# KiCad board Encoder_I2C_AS5600_Panel.kicad_pcb (continued)
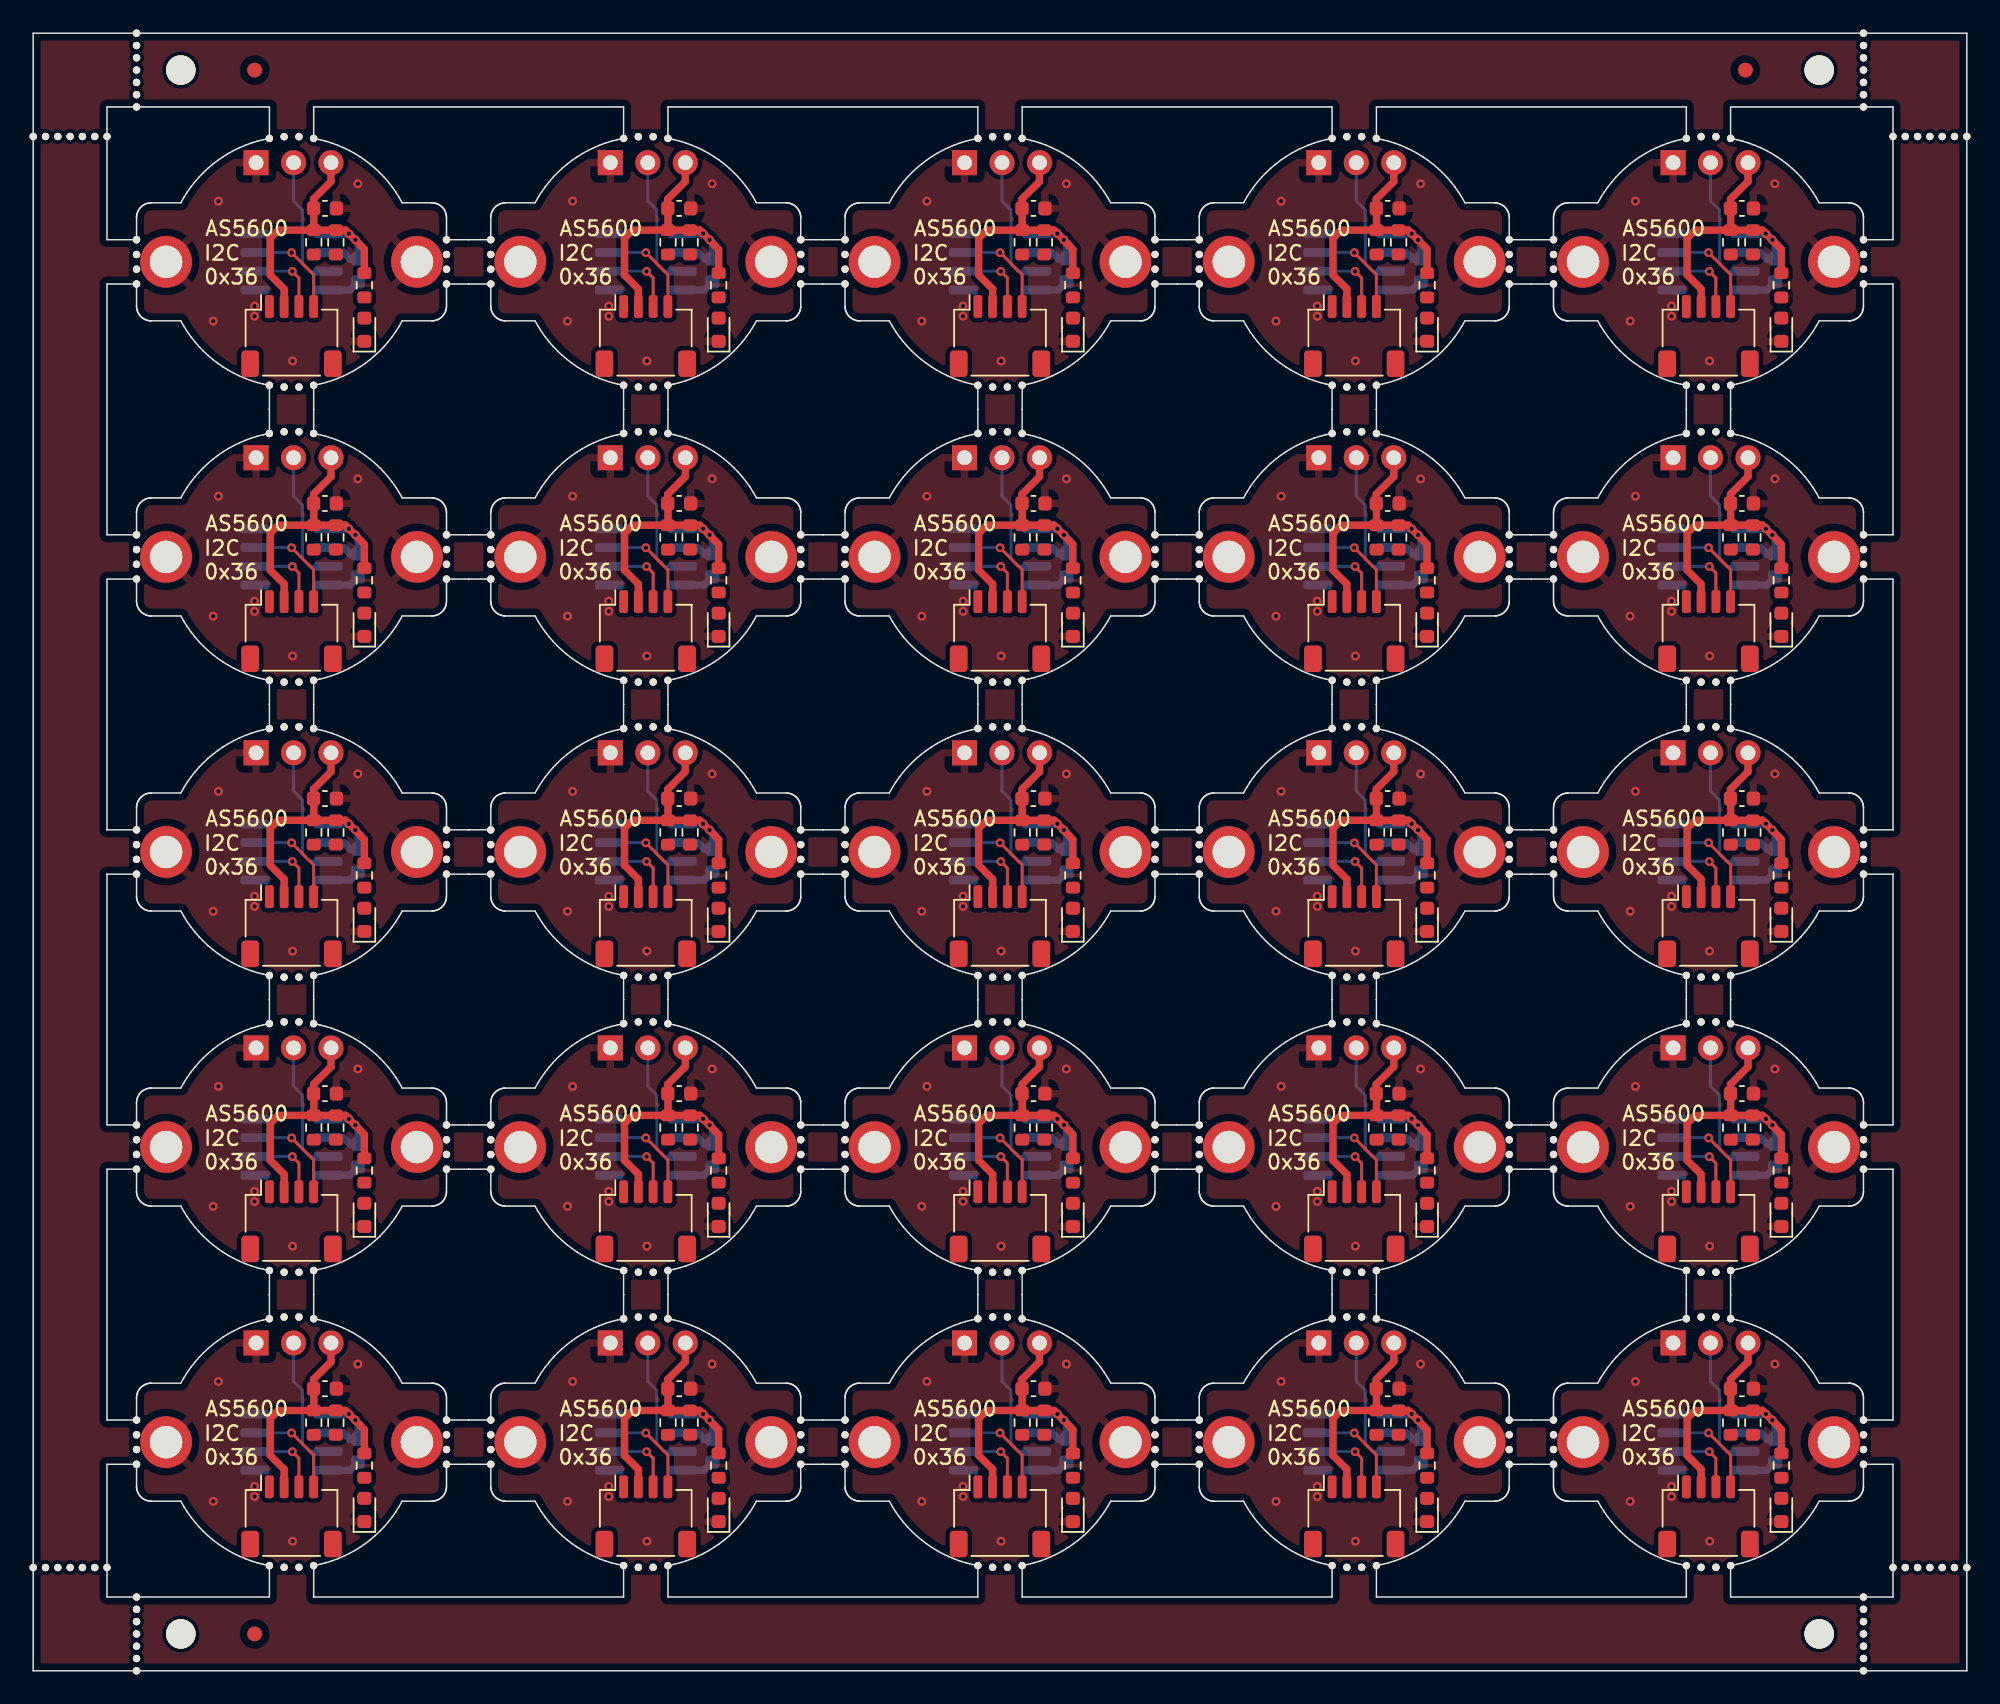
[diagram p0: board, top side]
## Routing (per net, layer and track width the routed paths; a pad name or vN(x,y) marks a point on that pad's centre or on a via; arc(x,y) is an arc through that point) (continued)
Board_2-/OUT: length 9.1
  Bottom w0.2: IC1#2.3 66.73,94.86 66.25,95.34 66.25,99.01 65.64,99.62 J3#13.2
Board_2-/SCL: length 6.8
  Top w0.2: J1#19.4 67,94.63 v1(65.51,96.12)
  Bottom w0.2: IC1#2.7 65.5,96.13 v1(65.51,96.12)
Board_2-/SDA: length 5.1
  Top w0.2: J1#19.3 66,94.41 v1(65.56,94.85)
  Bottom w0.2: IC1#2.6 65.54,94.86 v1(65.56,94.85)
Board_2-GND: length 2.3
  Bottom w0.5: IC1#2.4 69.46,93.59 C2#23.1
  vias: v1(60.2,91.48) v1(60.55,99.61) v1(63,92.5) v1(63,91.81) v1(65.58,88.78) v1(70,100.79)
Board_2-VDD: length 24.8
  Top w0.5: 69.15,97.65 v1(69.39,97.41) ; 69.15,97.65 69.81,96.99 v1(69.83,96.99) 69.83,96.97 70.21,96.59 70.21,96.57 70.44,96.34 R1#15.1 ; 69.15,97.65 R2#17.1 R3#24.1 ; R3#24.1 67.01,99.11 C1#11.1 66.99,99.76 68.18,100.94 J3#13.3 ; R3#24.1 64.6,97.65 64.06,97.1 64.06,94.6 65,93.66 J1#19.2
  Bottom w0.5: IC1#2.2 69.03,96.13 69.46,95.7 C2#23.2 70.02,96.8 v1(69.83,96.99) 69.81,96.99 v1(69.39,97.41) 69.38,97.4 IC1#2.1
Board_3-/OUT: length 9.1
  Bottom w0.2: IC1#17.3 90.73,94.86 90.25,95.34 90.25,99.01 89.64,99.62 J3.2
Board_3-/SCL: length 6.8
  Top w0.2: J1#9.4 91,94.63 v1(89.51,96.12)
  Bottom w0.2: IC1#17.7 89.5,96.13 v1(89.51,96.12)
Board_3-/SDA: length 5.1
  Top w0.2: J1#9.3 90,94.41 v1(89.56,94.85)
  Bottom w0.2: IC1#17.6 89.54,94.86 v1(89.56,94.85)
Board_3-GND: length 2.3
  Bottom w0.5: C2#17.1 93.46,93.59 IC1#17.4
  vias: v1(84.2,91.48) v1(84.55,99.61) v1(87,92.5) v1(87,91.81) v1(89.58,88.78) v1(94,100.79)
Board_3-VDD: length 24.8
  Top w0.5: 93.15,97.65 v1(93.39,97.41) ; 93.15,97.65 93.81,96.99 v1(93.83,96.99) 93.83,96.97 94.21,96.59 94.21,96.57 94.44,96.34 R1#21.1 ; 93.15,97.65 R2#5.1 R3#12.1 ; J3.3 92.18,100.94 90.99,99.76 C1#5.1 91.01,99.11 R3#12.1 ; J1#9.2 89,93.66 88.06,94.6 88.06,97.1 88.6,97.65 R3#12.1
  Bottom w0.5: IC1#17.2 93.03,96.13 93.46,95.7 C2#17.2 94.02,96.8 v1(93.83,96.99) 93.81,96.99 v1(93.39,97.41) 93.38,97.4 IC1#17.1
Board_4-/OUT: length 9.1
  Bottom w0.2: IC1#15.3 114.73,94.86 114.25,95.34 114.25,99.01 113.64,99.62 J3#21.2
Board_4-/SCL: length 6.8
  Top w0.2: v1(113.51,96.12) 115,94.63 J1#2.4
  Bottom w0.2: IC1#15.7 113.5,96.13 v1(113.51,96.12)
Board_4-/SDA: length 5.1
  Top w0.2: J1#2.3 114,94.41 v1(113.56,94.85)
  Bottom w0.2: v1(113.56,94.85) 113.54,94.86 IC1#15.6
Board_4-GND: length 2.3
  Bottom w0.5: IC1#15.4 117.46,93.59 C2#14.1
  vias: v1(108.2,91.48) v1(108.55,99.61) v1(111,92.5) v1(111,91.81) v1(113.58,88.78) v1(118,100.79)
Board_4-VDD: length 24.8
  Top w0.5: R1#17.1 118.44,96.34 118.21,96.57 118.21,96.59 117.83,96.97 v1(117.83,96.99) 117.81,96.99 117.15,97.65 ; 117.15,97.65 v1(117.39,97.41) ; 117.15,97.65 R2#2.1 R3#7.1 ; R3#7.1 115.01,99.11 C1.1 114.99,99.76 116.18,100.94 J3#21.3 ; R3#7.1 112.6,97.65 112.06,97.1 112.06,94.6 113,93.66 J1#2.2
  Bottom w0.5: IC1#15.1 117.38,97.4 v1(117.39,97.41) 117.81,96.99 v1(117.83,96.99) 118.02,96.8 C2#14.2 117.46,95.7 117.03,96.13 IC1#15.2
Board_5-/OUT: length 9.1
  Bottom w0.2: IC1#10.3 18.73,74.86 18.25,75.34 18.25,79.01 17.64,79.62 J3#8.2
Board_5-/SCL: length 6.8
  Top w0.2: J1#10.4 19,74.63 v1(17.51,76.12)
  Bottom w0.2: IC1#10.7 17.5,76.13 v1(17.51,76.12)
Board_5-/SDA: length 5.1
  Top w0.2: J1#10.3 18,74.41 v1(17.56,74.85)
  Bottom w0.2: IC1#10.6 17.54,74.86 v1(17.56,74.85)
Board_5-GND: length 2.3
  Bottom w0.5: C2#12.1 21.46,73.59 IC1#10.4
  vias: v1(12.2,71.48) v1(12.55,79.61) v1(15,72.5) v1(15,71.81) v1(17.58,68.78) v1(22,80.79)
Board_5-VDD: length 24.8
  Top w0.5: R3#14.1 19.01,79.11 C1#23.1 18.99,79.76 20.18,80.94 J3#8.3 ; R3#14.1 16.6,77.65 16.06,77.1 16.06,74.6 17,73.66 J1#10.2 ; R3#14.1 R2#15.1 21.15,77.65 ; 21.15,77.65 21.81,76.99 v1(21.83,76.99) 21.83,76.97 22.21,76.59 22.21,76.57 22.44,76.34 R1#19.1 ; 21.15,77.65 v1(21.39,77.41)
  Bottom w0.5: IC1#10.2 21.03,76.13 21.46,75.7 C2#12.2 22.02,76.8 v1(21.83,76.99) 21.81,76.99 v1(21.39,77.41) 21.38,77.4 IC1#10.1
Board_6-/OUT: length 9.1
  Bottom w0.2: IC1#25.3 42.73,74.86 42.25,75.34 42.25,79.01 41.64,79.62 J3#19.2
Board_6-/SCL: length 6.8
  Top w0.2: v1(41.51,76.12) 43,74.63 J1#13.4
  Bottom w0.2: IC1#25.7 41.5,76.13 v1(41.51,76.12)
Board_6-/SDA: length 5.1
  Top w0.2: J1#13.3 42,74.41 v1(41.56,74.85)
  Bottom w0.2: IC1#25.6 41.54,74.86 v1(41.56,74.85)
Board_6-GND: length 2.3
  Bottom w0.5: C2#3.1 45.46,73.59 IC1#25.4
  vias: v1(36.2,71.48) v1(36.55,79.61) v1(39,72.5) v1(39,71.81) v1(41.58,68.78) v1(46,80.79)
Board_6-VDD: length 24.8
  Top w0.5: R3#17.1 R2#18.1 45.15,77.65 ; R3#17.1 43.01,79.11 C1#14.1 42.99,79.76 44.18,80.94 J3#19.3 ; R3#17.1 40.6,77.65 40.06,77.1 40.06,74.6 41,73.66 J1#13.2 ; R1#13.1 46.44,76.34 46.21,76.57 46.21,76.59 45.83,76.97 v1(45.83,76.99) 45.81,76.99 45.15,77.65 ; 45.15,77.65 v1(45.39,77.41)
  Bottom w0.5: IC1#25.2 45.03,76.13 45.46,75.7 C2#3.2 46.02,76.8 v1(45.83,76.99) 45.81,76.99 v1(45.39,77.41) 45.38,77.4 IC1#25.1
Board_7-/OUT: length 9.1
  Bottom w0.2: IC1#8.3 66.73,74.86 66.25,75.34 66.25,79.01 65.64,79.62 J3#11.2
Board_7-/SCL: length 6.8
  Top w0.2: J1#3.4 67,74.63 v1(65.51,76.12)
  Bottom w0.2: v1(65.51,76.12) 65.5,76.13 IC1#8.7
Board_7-/SDA: length 5.1
  Top w0.2: v1(65.56,74.85) 66,74.41 J1#3.3
  Bottom w0.2: IC1#8.6 65.54,74.86 v1(65.56,74.85)
Board_7-GND: length 2.3
  Bottom w0.5: C2#4.1 69.46,73.59 IC1#8.4
  vias: v1(60.2,71.48) v1(60.55,79.61) v1(63,72.5) v1(63,71.81) v1(65.58,68.78) v1(70,80.79)
Board_7-VDD: length 24.8
  Top w0.5: R1#12.1 70.44,76.34 70.21,76.57 70.21,76.59 69.83,76.97 v1(69.83,76.99) 69.81,76.99 69.15,77.65 ; 69.15,77.65 R2#13.1 R3#9.1 ; 69.15,77.65 v1(69.39,77.41) ; J3#11.3 68.18,80.94 66.99,79.76 C1#8.1 67.01,79.11 R3#9.1 ; R3#9.1 64.6,77.65 64.06,77.1 64.06,74.6 65,73.66 J1#3.2
  Bottom w0.5: IC1#8.2 69.03,76.13 69.46,75.7 C2#4.2 70.02,76.8 v1(69.83,76.99) 69.81,76.99 v1(69.39,77.41) 69.38,77.4 IC1#8.1
Board_8-/OUT: length 9.1
  Bottom w0.2: IC1.3 90.73,74.86 90.25,75.34 90.25,79.01 89.64,79.62 J3#9.2
Board_8-/SCL: length 6.8
  Top w0.2: J1#24.4 91,74.63 v1(89.51,76.12)
  Bottom w0.2: v1(89.51,76.12) 89.5,76.13 IC1.7
Board_8-/SDA: length 5.1
  Top w0.2: v1(89.56,74.85) 90,74.41 J1#24.3
  Bottom w0.2: IC1.6 89.54,74.86 v1(89.56,74.85)
Board_8-GND: length 2.3
  Bottom w0.5: C2#5.1 93.46,73.59 IC1.4
  vias: v1(84.2,71.48) v1(84.55,79.61) v1(87,72.5) v1(87,71.81) v1(89.58,68.78) v1(94,80.79)
Board_8-VDD: length 24.8
  Top w0.5: 93.15,77.65 R2#11.1 R3#2.1 ; 93.15,77.65 93.81,76.99 v1(93.83,76.99) 93.83,76.97 94.21,76.59 94.21,76.57 94.44,76.34 R1#5.1 ; 93.15,77.65 v1(93.39,77.41) ; J3#9.3 92.18,80.94 90.99,79.76 C1#24.1 91.01,79.11 R3#2.1 ; R3#2.1 88.6,77.65 88.06,77.1 88.06,74.6 89,73.66 J1#24.2
  Bottom w0.5: IC1.1 93.38,77.4 v1(93.39,77.41) 93.81,76.99 v1(93.83,76.99) 94.02,76.8 C2#5.2 93.46,75.7 93.03,76.13 IC1.2
Board_9-/OUT: length 9.1
  Bottom w0.2: IC1#13.3 114.73,74.86 114.25,75.34 114.25,79.01 113.64,79.62 J3#10.2
Board_9-/SCL: length 6.8
  Top w0.2: v1(113.51,76.12) 115,74.63 J1#5.4
  Bottom w0.2: IC1#13.7 113.5,76.13 v1(113.51,76.12)
Board_9-/SDA: length 5.1
  Top w0.2: v1(113.56,74.85) 114,74.41 J1#5.3
  Bottom w0.2: IC1#13.6 113.54,74.86 v1(113.56,74.85)
Board_9-GND: length 2.3
  Bottom w0.5: IC1#13.4 117.46,73.59 C2#13.1
  vias: v1(108.2,71.48) v1(108.55,79.61) v1(111,72.5) v1(111,71.81) v1(113.58,68.78) v1(118,80.79)
Board_9-VDD: length 24.8
  Top w0.5: J3#10.3 116.18,80.94 114.99,79.76 C1#13.1 115.01,79.11 R3#18.1 ; J1#5.2 113,73.66 112.06,74.6 112.06,77.1 112.6,77.65 R3#18.1 ; R3#18.1 R2#16.1 117.15,77.65 ; R1#25.1 118.44,76.34 118.21,76.57 118.21,76.59 117.83,76.97 v1(117.83,76.99) 117.81,76.99 117.15,77.65 ; 117.15,77.65 v1(117.39,77.41)
  Bottom w0.5: IC1#13.2 117.03,76.13 117.46,75.7 C2#13.2 118.02,76.8 v1(117.83,76.99) 117.81,76.99 v1(117.39,77.41) 117.38,77.4 IC1#13.1
Board_10-/OUT: length 9.1
  Bottom w0.2: IC1#21.3 18.73,54.86 18.25,55.34 18.25,59.01 17.64,59.62 J3#18.2
Board_10-/SCL: length 6.8
  Top w0.2: J1#15.4 19,54.63 v1(17.51,56.12)
  Bottom w0.2: v1(17.51,56.12) 17.5,56.13 IC1#21.7
Board_10-/SDA: length 5.1
  Top w0.2: J1#15.3 18,54.41 v1(17.56,54.85)
  Bottom w0.2: v1(17.56,54.85) 17.54,54.86 IC1#21.6
Board_10-GND: length 2.3
  Bottom w0.5: IC1#21.4 21.46,53.59 C2#8.1
  vias: v1(12.2,51.48) v1(12.55,59.61) v1(15,52.5) v1(15,51.81) v1(17.58,48.78) v1(22,60.79)
Board_10-VDD: length 24.8
  Top w0.5: J1#15.2 17,53.66 16.06,54.6 16.06,57.1 16.6,57.65 R3#6.1 ; R1#10.1 22.44,56.34 22.21,56.57 22.21,56.59 21.83,56.97 v1(21.83,56.99) 21.81,56.99 21.15,57.65 ; 21.15,57.65 v1(21.39,57.41) ; 21.15,57.65 R2#3.1 R3#6.1 ; R3#6.1 19.01,59.11 C1#10.1 18.99,59.76 20.18,60.94 J3#18.3
  Bottom w0.5: IC1#21.2 21.03,56.13 21.46,55.7 C2#8.2 22.02,56.8 v1(21.83,56.99) 21.81,56.99 v1(21.39,57.41) 21.38,57.4 IC1#21.1
Board_11-/OUT: length 9.1
  Bottom w0.2: J3#22.2 41.64,59.62 42.25,59.01 42.25,55.34 42.73,54.86 IC1#16.3
Board_11-/SCL: length 6.8
  Top w0.2: J1#25.4 43,54.63 v1(41.51,56.12)
  Bottom w0.2: IC1#16.7 41.5,56.13 v1(41.51,56.12)
Board_11-/SDA: length 5.1
  Top w0.2: v1(41.56,54.85) 42,54.41 J1#25.3
  Bottom w0.2: IC1#16.6 41.54,54.86 v1(41.56,54.85)
Board_11-GND: length 2.3
  Bottom w0.5: C2#22.1 45.46,53.59 IC1#16.4
  vias: v1(36.2,51.48) v1(36.55,59.61) v1(39,52.5) v1(39,51.81) v1(41.58,48.78) v1(46,60.79)
Board_11-VDD: length 24.8
  Top w0.5: R3#15.1 40.6,57.65 40.06,57.1 40.06,54.6 41,53.66 J1#25.2 ; R3#15.1 43.01,59.11 C1#15.1 42.99,59.76 44.18,60.94 J3#22.3 ; R3#15.1 R2#22.1 45.15,57.65 ; 45.15,57.65 v1(45.39,57.41) ; 45.15,57.65 45.81,56.99 v1(45.83,56.99) 45.83,56.97 46.21,56.59 46.21,56.57 46.44,56.34 R1#7.1
  Bottom w0.5: IC1#16.1 45.38,57.4 v1(45.39,57.41) 45.81,56.99 v1(45.83,56.99) 46.02,56.8 C2#22.2 45.46,55.7 45.03,56.13 IC1#16.2
Board_12-/OUT: length 9.1
  Bottom w0.2: IC1#11.3 66.73,54.86 66.25,55.34 66.25,59.01 65.64,59.62 J3#4.2
Board_12-/SCL: length 6.8
  Top w0.2: J1#20.4 67,54.63 v1(65.51,56.12)
  Bottom w0.2: v1(65.51,56.12) 65.5,56.13 IC1#11.7
Board_12-/SDA: length 5.1
  Top w0.2: v1(65.56,54.85) 66,54.41 J1#20.3
  Bottom w0.2: v1(65.56,54.85) 65.54,54.86 IC1#11.6
Board_12-GND: length 2.3
  Bottom w0.5: C2#10.1 69.46,53.59 IC1#11.4
  vias: v1(60.2,51.48) v1(60.55,59.61) v1(63,52.5) v1(63,51.81) v1(65.58,48.78) v1(70,60.79)
Board_12-VDD: length 24.8
  Top w0.5: 69.15,57.65 v1(69.39,57.41) ; 69.15,57.65 R2.1 R3#16.1 ; 69.15,57.65 69.81,56.99 v1(69.83,56.99) 69.83,56.97 70.21,56.59 70.21,56.57 70.44,56.34 R1#3.1 ; R3#16.1 64.6,57.65 64.06,57.1 64.06,54.6 65,53.66 J1#20.2 ; R3#16.1 67.01,59.11 C1#12.1 66.99,59.76 68.18,60.94 J3#4.3
  Bottom w0.5: IC1#11.2 69.03,56.13 69.46,55.7 C2#10.2 70.02,56.8 v1(69.83,56.99) 69.81,56.99 v1(69.39,57.41) 69.38,57.4 IC1#11.1
Board_13-/OUT: length 9.1
  Bottom w0.2: J3#15.2 89.64,59.62 90.25,59.01 90.25,55.34 90.73,54.86 IC1#18.3
Board_13-/SCL: length 6.8
  Top w0.2: v1(89.51,56.12) 91,54.63 J1#7.4
  Bottom w0.2: IC1#18.7 89.5,56.13 v1(89.51,56.12)
Board_13-/SDA: length 5.1
  Top w0.2: J1#7.3 90,54.41 v1(89.56,54.85)
  Bottom w0.2: IC1#18.6 89.54,54.86 v1(89.56,54.85)
Board_13-GND: length 2.3
  Bottom w0.5: C2#11.1 93.46,53.59 IC1#18.4
  vias: v1(84.2,51.48) v1(84.55,59.61) v1(87,52.5) v1(87,51.81) v1(89.58,48.78) v1(94,60.79)
Board_13-VDD: length 24.8
  Top w0.5: 93.15,57.65 R2#12.1 R3#10.1 ; 93.15,57.65 v1(93.39,57.41) ; 93.15,57.65 93.81,56.99 v1(93.83,56.99) 93.83,56.97 94.21,56.59 94.21,56.57 94.44,56.34 R1#18.1 ; J1#7.2 89,53.66 88.06,54.6 88.06,57.1 88.6,57.65 R3#10.1 ; R3#10.1 91.01,59.11 C1#16.1 90.99,59.76 92.18,60.94 J3#15.3
  Bottom w0.5: IC1#18.2 93.03,56.13 93.46,55.7 C2#11.2 94.02,56.8 v1(93.83,56.99) 93.81,56.99 v1(93.39,57.41) 93.38,57.4 IC1#18.1
Board_14-/OUT: length 9.1
  Bottom w0.2: J3#16.2 113.64,59.62 114.25,59.01 114.25,55.34 114.73,54.86 IC1#5.3
Board_14-/SCL: length 6.8
  Top w0.2: J1#16.4 115,54.63 v1(113.51,56.12)
  Bottom w0.2: v1(113.51,56.12) 113.5,56.13 IC1#5.7
Board_14-/SDA: length 5.1
  Top w0.2: J1#16.3 114,54.41 v1(113.56,54.85)
  Bottom w0.2: v1(113.56,54.85) 113.54,54.86 IC1#5.6
Board_14-GND: length 2.3
  Bottom w0.5: C2#7.1 117.46,53.59 IC1#5.4
  vias: v1(108.2,51.48) v1(108.55,59.61) v1(111,52.5) v1(111,51.81) v1(113.58,48.78) v1(118,60.79)
Board_14-VDD: length 24.8
  Top w0.5: 117.15,57.65 v1(117.39,57.41) ; 117.15,57.65 117.81,56.99 v1(117.83,56.99) 117.83,56.97 118.21,56.59 118.21,56.57 118.44,56.34 R1#24.1 ; 117.15,57.65 R2#14.1 R3#11.1 ; R3#11.1 115.01,59.11 C1#3.1 114.99,59.76 116.18,60.94 J3#16.3 ; R3#11.1 112.6,57.65 112.06,57.1 112.06,54.6 113,53.66 J1#16.2
  Bottom w0.5: IC1#5.1 117.38,57.4 v1(117.39,57.41) 117.81,56.99 v1(117.83,56.99) 118.02,56.8 C2#7.2 117.46,55.7 117.03,56.13 IC1#5.2
Board_15-/OUT: length 9.1
  Bottom w0.2: J3#14.2 17.64,39.62 18.25,39.01 18.25,35.34 18.73,34.86 IC1#9.3
Board_15-/SCL: length 6.8
  Top w0.2: v1(17.51,36.12) 19,34.63 J1#22.4
  Bottom w0.2: v1(17.51,36.12) 17.5,36.13 IC1#9.7
Board_15-/SDA: length 5.1
  Top w0.2: J1#22.3 18,34.41 v1(17.56,34.85)
  Bottom w0.2: v1(17.56,34.85) 17.54,34.86 IC1#9.6
Board_15-GND: length 2.3
  Bottom w0.5: C2#21.1 21.46,33.59 IC1#9.4
  vias: v1(12.2,31.48) v1(12.55,39.61) v1(15,32.5) v1(15,31.81) v1(17.58,28.78) v1(22,40.79)
Board_15-VDD: length 24.8
  Top w0.5: 21.15,37.65 v1(21.39,37.41) ; 21.15,37.65 R2#20.1 R3.1 ; 21.15,37.65 21.81,36.99 v1(21.83,36.99) 21.83,36.97 22.21,36.59 22.21,36.57 22.44,36.34 R1#8.1 ; R3.1 16.6,37.65 16.06,37.1 16.06,34.6 17,33.66 J1#22.2 ; R3.1 19.01,39.11 C1#19.1 18.99,39.76 20.18,40.94 J3#14.3
  Bottom w0.5: IC1#9.2 21.03,36.13 21.46,35.7 C2#21.2 22.02,36.8 v1(21.83,36.99) 21.81,36.99 v1(21.39,37.41) 21.38,37.4 IC1#9.1
Board_16-/OUT: length 9.1
  Bottom w0.2: IC1#6.3 42.73,34.86 42.25,35.34 42.25,39.01 41.64,39.62 J3#7.2
Board_16-/SCL: length 6.8
  Top w0.2: J1#14.4 43,34.63 v1(41.51,36.12)
  Bottom w0.2: v1(41.51,36.12) 41.5,36.13 IC1#6.7
Board_16-/SDA: length 5.1
  Top w0.2: J1#14.3 42,34.41 v1(41.56,34.85)
  Bottom w0.2: v1(41.56,34.85) 41.54,34.86 IC1#6.6
Board_16-GND: length 2.3
  Bottom w0.5: C2#2.1 45.46,33.59 IC1#6.4
  vias: v1(36.2,31.48) v1(36.55,39.61) v1(39,32.5) v1(39,31.81) v1(41.58,28.78) v1(46,40.79)
Board_16-VDD: length 24.8
  Top w0.5: 45.15,37.65 45.81,36.99 v1(45.83,36.99) 45.83,36.97 46.21,36.59 46.21,36.57 46.44,36.34 R1#6.1 ; 45.15,37.65 v1(45.39,37.41) ; 45.15,37.65 R2#10.1 R3#13.1 ; R3#13.1 40.6,37.65 40.06,37.1 40.06,34.6 41,33.66 J1#14.2 ; R3#13.1 43.01,39.11 C1#7.1 42.99,39.76 44.18,40.94 J3#7.3
  Bottom w0.5: IC1#6.1 45.38,37.4 v1(45.39,37.41) 45.81,36.99 v1(45.83,36.99) 46.02,36.8 C2#2.2 45.46,35.7 45.03,36.13 IC1#6.2
Board_17-/OUT: length 9.1
  Bottom w0.2: IC1#7.3 66.73,34.86 66.25,35.34 66.25,39.01 65.64,39.62 J3#23.2
Board_17-/SCL: length 6.8
  Top w0.2: J1#11.4 67,34.63 v1(65.51,36.12)
  Bottom w0.2: IC1#7.7 65.5,36.13 v1(65.51,36.12)
Board_17-/SDA: length 5.1
  Top w0.2: v1(65.56,34.85) 66,34.41 J1#11.3
  Bottom w0.2: v1(65.56,34.85) 65.54,34.86 IC1#7.6
Board_17-GND: length 2.3
  Bottom w0.5: IC1#7.4 69.46,33.59 C2#15.1
  vias: v1(60.2,31.48) v1(60.55,39.61) v1(63,32.5) v1(63,31.81) v1(65.58,28.78) v1(70,40.79)
Board_17-VDD: length 24.8
  Top w0.5: 69.15,37.65 R2#19.1 R3#22.1 ; 69.15,37.65 69.81,36.99 v1(69.83,36.99) 69.83,36.97 70.21,36.59 70.21,36.57 70.44,36.34 R1#22.1 ; 69.15,37.65 v1(69.39,37.41) ; R3#22.1 64.6,37.65 64.06,37.1 64.06,34.6 65,33.66 J1#11.2 ; R3#22.1 67.01,39.11 C1#4.1 66.99,39.76 68.18,40.94 J3#23.3
  Bottom w0.5: IC1#7.1 69.38,37.4 v1(69.39,37.41) 69.81,36.99 v1(69.83,36.99) 70.02,36.8 C2#15.2 69.46,35.7 69.03,36.13 IC1#7.2
Board_18-/OUT: length 9.1
  Bottom w0.2: IC1#14.3 90.73,34.86 90.25,35.34 90.25,39.01 89.64,39.62 J3#20.2
Board_18-/SCL: length 6.8
  Top w0.2: v1(89.51,36.12) 91,34.63 J1#21.4
  Bottom w0.2: v1(89.51,36.12) 89.5,36.13 IC1#14.7
Board_18-/SDA: length 5.1
  Top w0.2: v1(89.56,34.85) 90,34.41 J1#21.3
  Bottom w0.2: IC1#14.6 89.54,34.86 v1(89.56,34.85)
Board_18-GND: length 2.3
  Bottom w0.5: IC1#14.4 93.46,33.59 C2#18.1
  vias: v1(84.2,31.48) v1(84.55,39.61) v1(87,32.5) v1(87,31.81) v1(89.58,28.78) v1(94,40.79)
Board_18-VDD: length 24.8
  Top w0.5: R3#20.1 88.6,37.65 88.06,37.1 88.06,34.6 89,33.66 J1#21.2 ; R3#20.1 R2#21.1 93.15,37.65 ; R3#20.1 91.01,39.11 C1#6.1 90.99,39.76 92.18,40.94 J3#20.3 ; 93.15,37.65 93.81,36.99 v1(93.83,36.99) 93.83,36.97 94.21,36.59 94.21,36.57 94.44,36.34 R1#9.1 ; 93.15,37.65 v1(93.39,37.41)
  Bottom w0.5: IC1#14.1 93.38,37.4 v1(93.39,37.41) 93.81,36.99 v1(93.83,36.99) 94.02,36.8 C2#18.2 93.46,35.7 93.03,36.13 IC1#14.2
Board_19-/OUT: length 9.1
  Bottom w0.2: IC1#23.3 114.73,34.86 114.25,35.34 114.25,39.01 113.64,39.62 J3#5.2
Board_19-/SCL: length 6.8
  Top w0.2: v1(113.51,36.12) 115,34.63 J1#18.4
  Bottom w0.2: IC1#23.7 113.5,36.13 v1(113.51,36.12)
Board_19-/SDA: length 5.1
  Top w0.2: v1(113.56,34.85) 114,34.41 J1#18.3
  Bottom w0.2: IC1#23.6 113.54,34.86 v1(113.56,34.85)
Board_19-GND: length 2.3
  Bottom w0.5: C2#25.1 117.46,33.59 IC1#23.4
  vias: v1(108.2,31.48) v1(108.55,39.61) v1(111,32.5) v1(111,31.81) v1(113.58,28.78) v1(118,40.79)
Board_19-VDD: length 24.8
  Top w0.5: R1#14.1 118.44,36.34 118.21,36.57 118.21,36.59 117.83,36.97 v1(117.83,36.99) 117.81,36.99 117.15,37.65 ; R3#19.1 R2#23.1 117.15,37.65 ; R3#19.1 112.6,37.65 112.06,37.1 112.06,34.6 113,33.66 J1#18.2 ; R3#19.1 115.01,39.11 C1#25.1 114.99,39.76 116.18,40.94 J3#5.3 ; 117.15,37.65 v1(117.39,37.41)
  Bottom w0.5: IC1#23.1 117.38,37.4 v1(117.39,37.41) 117.81,36.99 v1(117.83,36.99) 118.02,36.8 C2#25.2 117.46,35.7 117.03,36.13 IC1#23.2
Board_20-/OUT: length 9.1
  Bottom w0.2: IC1#22.3 18.73,14.86 18.25,15.34 18.25,19.01 17.64,19.62 J3#6.2
Board_20-/SCL: length 6.8
  Top w0.2: v1(17.51,16.12) 19,14.63 J1#23.4
  Bottom w0.2: v1(17.51,16.12) 17.5,16.13 IC1#22.7
Board_20-/SDA: length 5.1
  Top w0.2: J1#23.3 18,14.41 v1(17.56,14.85)
  Bottom w0.2: IC1#22.6 17.54,14.86 v1(17.56,14.85)
Board_20-GND: length 2.3
  Bottom w0.5: C2#24.1 21.46,13.59 IC1#22.4
  vias: v1(12.2,11.48) v1(12.55,19.61) v1(15,12.5) v1(15,11.81) v1(17.58,8.78) v1(22,20.79)
Board_20-VDD: length 24.8
  Top w0.5: 21.15,17.65 v1(21.39,17.41) ; 21.15,17.65 R2#7.1 R3#25.1 ; 21.15,17.65 21.81,16.99 v1(21.83,16.99) 21.83,16.97 22.21,16.59 22.21,16.57 22.44,16.34 R1#11.1 ; R3#25.1 19.01,19.11 C1#21.1 18.99,19.76 20.18,20.94 J3#6.3 ; R3#25.1 16.6,17.65 16.06,17.1 16.06,14.6 17,13.66 J1#23.2
  Bottom w0.5: IC1#22.2 21.03,16.13 21.46,15.7 C2#24.2 22.02,16.8 v1(21.83,16.99) 21.81,16.99 v1(21.39,17.41) 21.38,17.4 IC1#22.1
Board_21-/OUT: length 9.1
  Bottom w0.2: IC1#19.3 42.73,14.86 42.25,15.34 42.25,19.01 41.64,19.62 J3#17.2